# Allegro board 1103400-C000PC024-HI3521DV200-CORE-A01-pcb166.brd (continued)
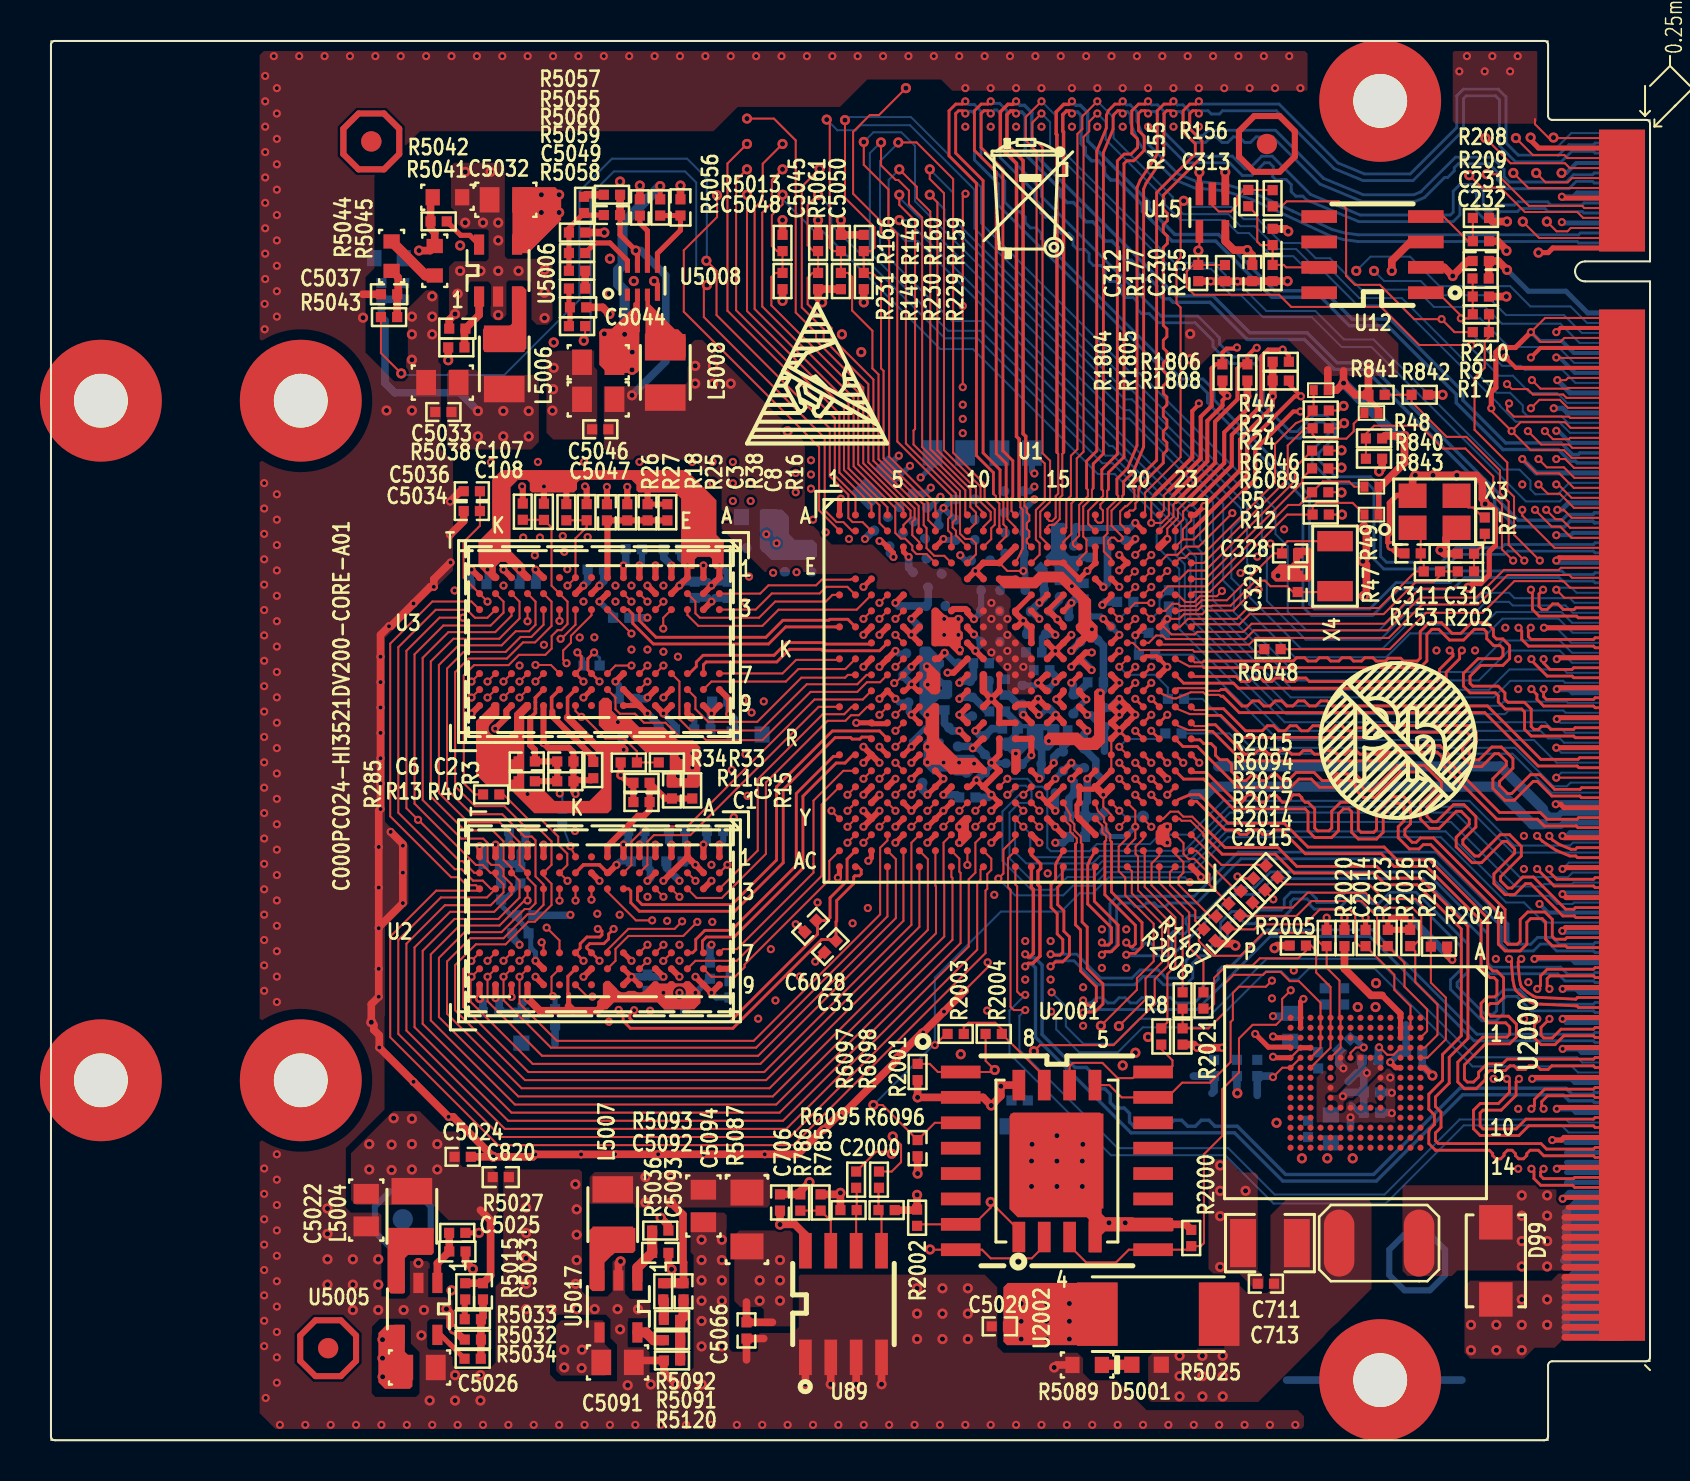
[diagram p0: board, top side]
## Routing (per net, layer and track width the routed paths; a pad name or vN(x,y) marks a point on that pad's centre or on a via; arc(x,y) is an arc through that point) (continued)
  BOTTOM w0.142: v1(56.16,66.38) 56.26,66.48 56.5,66.48 56.64,66.34 56.64,65.47 57.17,64.93 57.76,64.93 58.04,65.21 58.31,65.21 58.58,64.93 58.87,64.93 59.15,65.21 59.44,65.21 59.72,64.93 60.01,64.93 60.29,65.21 61.13,65.21 63.48,62.85 65.58,61.98 68.25,61.98 68.72,62.18 69.72,63.18 69.87,63.18 70.21,63.51 70.21,63.66 70.41,63.86 71.95,63.86 72.36,63.45 72.36,63.08 72.82,62.62 75.94,62.62 76.31,62.98 77.13,62.98 77.21,62.9 U102.11
HDMI_TX0P: length 51.3
  TOP w0.102: U1.D18 53.05,44.09 52.68,44.46 52.68,45.19 52.86,45.37 52.86,46.6 53.39,47.13 53.39,47.25 53.33,47.31 53.33,47.34
  TOP w0.142: 53.33,47.34 53.33,48.09 53.86,48.62 54.33,49.77 54.33,62.66 54.49,63.05 54.88,63.63 55.27,64.21 55.35,64.39 55.35,66.51 55.68,66.85 56.02,66.85 v1(56.16,66.99)
  BOTTOM w0.142: v1(56.16,66.99) 56.34,66.81 56.63,66.81 56.97,66.47 56.97,65.6 57.31,65.26 57.62,65.26 57.9,65.54 61.26,65.54 63.67,63.13 65.65,62.32 68.19,62.32 68.53,62.46 70.27,64.19 72.09,64.19 72.7,63.58 72.7,63.21 72.96,62.95 75.81,62.95 76.17,63.32 77.13,63.32 77.21,63.4 U102.9
HDMI_TX1N: length 53.1
  TOP w0.102: 52.91,47.57 52.84,47.51 52.84,47.16 52.5,46.82 52.5,46.64 52.63,46.52 52.63,45.98 52.55,45.91 52.37,45.91 52.25,46.03 U1.A17
  TOP w0.142: 52.91,47.57 52.91,48.42 53.68,49.2 53.68,63.87 53.83,64.01 54.18,64.01 54.7,64.53 54.7,65.24 54.41,65.53 54.41,66.37 54.55,66.52 54.75,66.52 v1(54.89,66.38)
  BOTTOM w0.142: U102.17 76.68,61.4 76.61,61.47 74.9,61.47 74.74,61.63 73.52,61.63 73.37,61.47 72.51,61.47 72.18,61.14 71.66,61.14 71.32,61.48 71.32,62.35 71.18,62.5 70.63,62.5 70.49,62.35 70.49,61.31 70.15,60.97 65.43,60.97 62.83,62.05 62.63,62.24 62.51,62.24 62.28,62.24 62.05,62.47 62.05,62.59 62.05,62.82 61.79,63.08 61.56,63.08 61.52,63.05 61.29,63.05 61.12,63.22 61.12,63.46 61.15,63.49 61.15,63.72 60.96,63.91 60.72,63.91 60.08,63.28 59.6,63.28 58.97,63.91 56.76,63.91 55.37,65.3 55.37,66.34 55.23,66.48 54.99,66.48 v1(54.89,66.38)
HDMI_TX1P: length 53.2
  TOP w0.102: 52.57,47.57 52.64,47.51 52.64,47.24 51.89,46.5 51.89,45.85 U1.B17
  TOP w0.142: v1(54.89,66.99) 54.75,66.85 54.41,66.85 54.07,66.51 54.07,65.39 54.36,65.1 54.36,64.67 54.04,64.35 53.69,64.35 53.35,64.01 53.35,49.33 52.57,48.56 52.57,47.57
  BOTTOM w0.142: v1(54.89,66.99) 55.07,66.81 55.36,66.81 55.7,66.47 55.7,65.44 56.9,64.25 59.11,64.25 59.74,63.61 59.94,63.61 60.58,64.25 61.1,64.25 63.01,62.33 65.5,61.3 70.01,61.3 70.15,61.44 70.15,62.49 70.49,62.83 71.32,62.83 71.65,62.49 71.65,61.62 71.8,61.48 72.05,61.48 72.37,61.8 73.23,61.8 73.38,61.96 74.88,61.96 75.03,61.8 76.6,61.8 76.7,61.9 U102.15
HDMI_TX2N: length 51.3
  TOP w0.102: U1.D16 51.45,44.09 51.81,44.45 51.81,45.05 51.64,45.22 51.64,46.71 52.08,47.15 52.08,47.56 52.14,47.62 52.14,47.65
  TOP w0.142: 52.14,47.65 52.14,48.85 52.65,49.36 52.65,64.42 53.14,65.59 53.14,66.22 53.18,66.33 53.36,66.52 53.48,66.52 v1(53.62,66.38)
  BOTTOM w0.142: v1(53.62,66.38) 53.72,66.48 53.86,66.48 54,66.34 54,65.94 54.4,64.97 54.59,64.69 56.2,63.08 57.21,62.66 58.66,62.52 58.67,62.52 60.04,62.1 63.97,60.27 64.63,60.08 65.39,59.98 76.35,59.98 76.43,59.9 U102.23
HDMI_TX2P: length 51.3
  TOP w0.102: 51.81,47.65 51.81,47.62 51.88,47.56 51.88,47.23 51.44,46.79 51.44,45.25 51.13,44.94 51.13,44.8 51.23,44.69 U1.C16
  TOP w0.142: 51.81,47.65 51.81,48.99 52.32,49.5 52.32,64.49 52.8,65.66 52.8,66.29 52.9,66.52 53.23,66.85 53.48,66.85 v1(53.62,66.99)
  BOTTOM w0.142: U102.21 76.52,60.4 76.43,60.31 65.41,60.31 64.7,60.41 64.09,60.58 62.13,61.5 62.13,61.5 60.16,62.41 58.72,62.85 58.68,62.85 57.29,62.98 56.39,63.36 54.84,64.9 54.69,65.13 54.33,66 54.33,66.47 53.99,66.81 53.8,66.81 v1(53.62,66.99)
HDMI_TXCN: length 52.1
  TOP w0.102: U1.A19 53.85,46.4 53.97,46.52 54.15,46.52 54.25,46.62 54.25,46.88 54.41,47.03 54.41,47.54 54.47,47.61 54.47,47.63
  TOP w0.142: v1(57.43,66.38) 57.29,66.52 57.12,66.52 56.97,66.38 56.97,65.61 57.58,65 57.58,64.22 55.65,62.29 55.65,61.59 55.85,61.38 55.85,61.02 55.65,60.81 55.65,60.45 55.85,60.25 55.85,59.88 55.65,59.68 55.65,55.78 55.83,55.6 55.83,55.21 55.65,55.03 55.65,54.64 55.83,54.47 55.83,54.08 55.65,53.9 55.65,53.51 55.83,53.33 55.83,52.94 55.65,52.76 55.65,52.37 55.83,52.19 55.83,51.8 55.65,51.62 55.65,51.23 55.83,51.05 55.83,50.66 55.65,50.48 55.65,50.09 55.83,49.91 55.83,49.52 55.65,49.34 55.65,48.9 54.47,47.72 54.47,47.63
  BOTTOM w0.142: U102.5 77.26,64.4 77.17,64.48 76.08,64.48 75.56,63.96 73.27,63.96 72.46,64.77 72.46,67.07 72.27,67.27 70.81,67.27 70.66,67.12 70.66,65.54 68.15,63.02 65.64,63.02 64.2,63.62 61.3,66.52 58.62,66.52 58.46,66.35 58.05,66.35 57.89,66.52 57.57,66.52 v1(57.43,66.38)
HDMI_TXCP: length 52.3
  TOP w0.102: 54.14,47.63 54.14,47.61 54.2,47.54 54.2,47.12 53.82,46.73 53.75,46.73 53.49,46.48 53.49,45.85 U1.B19
  TOP w0.142: v1(57.43,66.99) 57.29,66.85 56.98,66.85 56.64,66.51 56.64,65.48 57.25,64.87 57.25,64.36 55.32,62.43 55.32,49.03 54.14,47.85 54.14,47.63
  BOTTOM w0.142: U102.3 77.26,64.9 77.17,64.82 75.94,64.82 75.42,64.3 73.41,64.3 72.8,64.91 72.8,67.21 72.41,67.6 70.67,67.6 70.33,67.26 70.33,65.68 68.01,63.36 65.71,63.36 64.39,63.9 61.44,66.85 57.57,66.85 v1(57.43,66.99)
I2C0_SCL: length 15.6
  TOP w0.102: v1(74.74,50.49) 75.14,50.08 75.93,50.08 76,50.15 U102.50 ; v2(64.67,51.75) 64.44,51.52 R23.1
  ART03 w0.102: v2(64.67,51.75) 64.77,51.85 68.1,51.85 68.97,50.98 74.2,50.98 74.69,50.49 v1(74.74,50.49)
I2C0_SDA: length 16.1
  TOP w0.102: U102.52 76.11,49.65 75.95,49.82 74.56,49.82 v1(73.89,50.49) ; R24.1 64.44,50.63 v2(64.69,50.89)
  ART03 w0.102: v2(64.69,50.89) 64.71,50.89 65.21,51.39 67.99,51.39 68.8,50.59 72.44,50.59 73,50.02 73.42,50.02 v1(73.89,50.49)
I2C1_SCL: length 21.2
  TOP w0.102: v1(75.31,49.09) 75.76,49.09 76.2,48.65 U102.56 ; R12.1 v2(64.59,46.31)
  ART03 w0.102: v1(75.31,49.09) 74.79,49.62 72.85,49.62 72.28,50.19 68.64,50.19 67.84,50.99 65.61,50.99 65.05,50.43 64.03,50.43 63.58,49.97 63.58,47.2 64.46,46.31 v2(64.59,46.31)
I2C1_SDA: length 19
  TOP w0.102: U102.58 76.22,48.15 75.69,48.68 74.84,48.68 v1(74.42,49.09) ; 63.91,47.43 64.55,47.43 v2(64.57,47.42)
  ART03 w0.102: v2(64.57,47.42) 64.06,47.93 64.06,49.79 64.25,49.98 67.3,49.98 67.51,49.77 72.14,49.77 73.22,48.69 74.02,48.69 v1(74.42,49.09)
I2S0_BCLK: length 9.9
  TOP w0.102: U1.E22 56.47,43.09 56.89,43.51 57.75,43.51 62.23,47.99 62.23,48.65 R6046.1
I2S0_BCLK_R: length 15.7
  TOP w0.102: v1(75.31,47.82) 75.4,47.82 76.07,47.15 U102.62 ; 63.91,49.51 64.55,49.51 v2(64.57,49.53)
  ART03 w0.102: v1(75.31,47.82) 74.89,48.24 73.09,48.24 71.96,49.37 67.27,49.37 67.12,49.53 v2(64.57,49.53)
I2S0_MCLK: length 8.5
  TOP w0.102: R6089.1 62.61,48.14 62.61,47.94 57.77,43.09 U1.E23
I2S0_MCLK_R: length 16.3
  TOP w0.102: v1(74.42,47.82) 74.89,47.35 75.49,47.35 76.19,46.65 U102.64 ; 63.91,48.62 64.53,48.62 v2(64.57,48.66)
  ART03 w0.102: v2(64.57,48.66) 64.96,49.06 71.48,49.06 73.18,47.35 73.95,47.35 v1(74.42,47.82)
I2S0_SD_RX: length 28.1
  TOP w0.102: U102.70 76.07,45.15 75.51,45.71 75.09,45.71 v1(74.24,46.55) ; U1.E21 v1(55.85,43.49)
  ART03 w0.102: v1(55.85,43.49) 57.23,43.49 59.77,46.03 62.41,46.03 62.86,45.58 64.98,45.58 65.53,46.13 66.04,46.13 66.57,45.6 66.57,44.33 66.8,44.1 69.92,44.1 70.2,44.39 70.46,44.39 72.13,46.06 73.93,46.06 74.24,46.37 v1(74.24,46.55)
I2S0_SD_TX: length 27
  TOP w0.102: U102.68 76,45.65 75.57,46.08 75.28,46.08 v1(74.8,46.55) ; U1.F20 v1(55.05,42.69)
  ART03 w0.102: v1(74.8,46.55) 74.8,46.31 74.24,45.75 72.15,45.75 70.56,44.16 70.3,44.16 69.71,43.57 67.69,43.57 65.86,41.74 58.22,41.74 57.26,42.69 v1(55.05,42.69)
I2S0_WS: length 27.5
  TOP w0.102: v1(73.61,46.55) 73.61,46.26 75.22,44.65 U102.72 ; v1(59.11,46.39) 57.43,44.71 56.77,44.71 56.36,44.3 55.85,44.3 U1.D21
  ART03 w0.102: v1(59.11,46.39) 62.71,46.39 63.24,45.86 64.9,45.86 67.77,48.73 71.27,48.73 73.45,46.55 v1(73.61,46.55)
I2S1_BCLK: length 7.1
  TOP w0.102: U1.J19 54.13,39.89 54.49,39.54 57.12,39.54 57.2,39.46 60.58,39.46 R6048.1
I2S1_BCLK_R: length 18.6
  TOP w0.102: R6048.2 66.98,39.58 68.8,41.4 71.63,41.4 73.21,42.99 75.67,42.99 76,42.65 U102.80
I2S1_SD_RX: length 25.7
  TOP w0.102: U1.J20 54.92,39.89 55.29,40.26 55.6,40.26 55.78,40.09 59.75,40.09 60.19,40.52 66.85,40.52 68.49,42.16 71.31,42.16 72.69,43.54 75.44,43.54 75.54,43.65 U102.76
I2S1_WS: length 24.7
  TOP w0.102: U1.J21 55.53,39.81 59.94,39.81 60.27,40.14 66.93,40.14 68.6,41.82 71.4,41.82 72.87,43.29 75.96,43.29 76.1,43.15 U102.78
IR_IN/SPI1_SCK: length 37.1
  TOP w0.102: U1.AA12 48.25,30.15 47.65,29.55 47.65,28.36 v1(47.4,28.1)
  BOTTOM w0.102: v1(47.4,28.1) 48.23,27.26 50.65,27.26 51.13,27.75 52.13,27.75 52.81,28.43 57.14,28.43 58.89,30.17 69.53,30.17 72.8,26.91 73.69,26.91 74.7,25.9 U102.147
JTAG_TCK/SPI1_MOSI: length 38.8
  TOP w0.102: U1.V13 49.05,32.69 v1(48.65,32.29)
  BOTTOM w0.102: v1(48.65,32.29) 48.44,32.29 47.6,31.45 47.6,28.99 49.05,27.54 50.22,27.54 50.85,28.18 52.18,28.18 52.7,28.69 57.03,28.69 58.8,30.46 69.77,30.46 73,27.24 74.95,27.24 75.36,26.83 76.12,26.83 76.19,26.9 U102.143
JTAG_TDI/UART2_RXD: length 33.7
  TOP w0.102: U1.Y12 v1(48.65,30.69)
  BOTTOM w0.102: v1(48.65,30.69) 49,30.35 49,29.33 49.16,29.17 52.04,29.17 52.37,29.49 56.7,29.49 58.9,31.7 70.83,31.7 73.12,29.4 U102.133
JTAG_TDO_R/UART2_TXD: length 36.5
  TOP w0.102: U1.V11 v1(47.85,33.09)
  BOTTOM w0.102: v1(47.85,33.09) 48.85,33.09 49.25,32.7 49.61,32.7 49.85,32.46 49.85,29.65 50.02,29.47 51.97,29.47 52.32,29.83 54.99,29.83 55.46,30.3 56.96,30.3 58.65,31.99 70.97,31.99 73.2,29.75 76,29.75 76.14,29.9 U102.131
JTAG_TMS/SPI1_MISO: length 35.9
  TOP w0.102: U1.W12 v1(48.65,31.49)
  BOTTOM w0.102: U102.137 76.12,28.4 75.89,28.18 73.48,28.18 70.26,31.4 58.99,31.4 56.81,29.23 52.48,29.23 52.11,28.86 48.79,28.86 48.23,29.42 48.23,31.05 48.65,31.46 v1(48.65,31.49)
JTAG_TRSTN/SPI1_CSN: length 39.9
  TOP w0.102: U1.V12 48.25,32.69 v1(47.85,32.29)
  BOTTOM w0.102: U102.139 76.18,27.9 76.1,27.82 74.7,27.82 74.59,27.71 73.27,27.71 70.04,30.93 58.9,30.93 56.92,28.96 52.59,28.96 52.19,28.56 50.75,28.56 50.11,27.92 49.15,27.92 47.95,29.12 47.95,31.4 48.44,31.89 48.86,31.89 49.06,32.09 49.06,32.46 48.77,32.75 48.41,32.75 47.96,32.29 v1(47.85,32.29)
LAN_LED_ACT: length 68.4
  TOP w0.102: U1.B10 46.65,45.69 47.01,46.06 47.01,46.44 46.51,46.95 46.51,47.71 44.68,49.54 44.68,62.39 43.97,63.1 v2(43.97,63.59)
  BOTTOM w0.102: v2(43.97,63.59) 45.14,62.42 45.14,61.1 53.69,52.55 54.06,52.55 59.84,46.77 59.84,43.87 59.99,43.72 59.99,42.15 62.53,39.61 66.62,39.61 67.82,40.8 71.68,40.8 72.31,41.44 75.56,41.44 76.1,40.9 U102.87
LAN_LED_LINK: length 65.9
  TOP w0.102: v2(43.97,62.32) 44.35,61.93 44.35,49.54 46.28,47.61 46.28,46.77 46.65,46.4 U1.A10
  BOTTOM w0.102: v2(43.97,62.32) 44.7,61.58 44.7,61.1 53.72,52.08 54.08,52.08 59.54,46.62 59.54,46.08 59.05,45.6 59.05,43.14 59.51,42.68 59.51,41.89 62.23,39.18 66.8,39.18 68,40.37 71.88,40.37 72.62,41.11 75.42,41.11 76.13,40.4 U102.89
MDI_AN: length 73.2
  TOP w0.102: 47.48,47.34 47.48,47.12 47.65,46.95 47.65,45.83 47.8,45.68 47.8,45.25 47.45,44.89 U1.C11
  TOP w0.142: 47.48,47.34 47.48,48.55 46.63,49.4 46.63,63.03 45.26,64.4 45.26,66.37 45.41,66.52 45.61,66.52 v1(45.74,66.38)
  BOTTOM w0.142: U102.79 77.26,42.9 77.17,42.98 75.63,42.98 75.45,43.16 70.72,43.16 70.14,42.58 67.43,42.58 66.11,41.26 63.07,41.26 62.63,41.69 62.63,47.14 57.86,51.92 57.86,52.4 57.49,52.76 56.43,52.76 47.39,61.8 47.39,62.87 46.2,64.05 46.2,66.35 46.06,66.49 45.86,66.49 v1(45.74,66.38)
MDI_AP: length 73.1
  TOP w0.102: 47.15,47.35 47.28,47.22 47.28,47.03 47.45,46.86 47.45,45.75 47.45,45.74 U1.B11
  TOP w0.142: 47.15,47.35 47.15,48.41 46.3,49.26 46.3,62.89 44.93,64.26 44.93,66.51 45.27,66.85 45.61,66.85 v1(45.74,66.99)
  BOTTOM w0.142: v1(45.74,66.99) 45.91,66.83 46.2,66.83 46.53,66.49 46.53,64.19 47.13,63.6 47.72,63 47.72,61.94 48.2,61.46 48.48,61.46 48.74,61.2 48.74,60.92 49,60.66 49.28,60.66 49.54,60.39 49.54,60.12 56.57,53.09 57.63,53.09 58.19,52.54 58.19,52.05 62.97,47.28 62.97,41.83 63.21,41.59 65.98,41.59 67.3,42.91 70,42.91 70.59,43.49 75.59,43.49 75.77,43.32 77.17,43.32 77.26,43.4 U102.77
MDI_BN: length 72.4
  TOP w0.102: 48.12,47.23 48.12,47.2 48.06,47.14 48.06,46.49 U1.A12
  TOP w0.142: 48.12,47.23 48.12,49 47.62,49.5 47.62,63.59 46.53,64.68 46.53,66.37 46.68,66.52 46.88,66.52 v1(47.01,66.38)
  BOTTOM w0.142: v1(47.01,66.38) 47.19,66.55 47.32,66.55 47.49,66.38 47.49,64.17 49.22,62.44 49.22,62.09 49.53,61.79 49.53,61.4 49.74,61.19 50.12,61.19 50.33,60.98 50.33,60.6 50.54,60.39 50.92,60.39 51.14,60.18 51.14,59.8 51.35,59.58 51.73,59.58 51.94,59.37 51.94,58.99 52.15,58.78 52.53,58.78 52.74,58.57 52.74,58.19 52.96,57.97 53.34,57.97 53.55,57.76 53.55,57.38 53.76,57.17 54.14,57.17 54.35,56.96 54.35,56.58 54.57,56.36 54.95,56.36 55.4,55.91 57.24,55.91 58.14,55.01 58.14,54.71 58.98,53.87 60.18,53.87 60.32,53.72 60.32,51.67 61.86,50.13 62.49,50.13 63.3,50.94 63.66,50.94 63.91,50.69 63.91,50.34 63.1,49.53 63.1,48.9 64.12,47.87 65.88,47.87 66.19,47.56 66.19,44.08 66.68,43.59 69.69,43.59 70.43,44.32 72.71,44.32 72.87,44.48 77.17,44.48 77.26,44.4 U102.73
MDI_BP: length 72.2
  TOP w0.102: 47.79,47.23 47.79,47.2 47.85,47.14 47.85,46.09 48.25,45.69 U1.B12
  TOP w0.142: 47.79,47.23 47.79,48.87 47.29,49.36 47.29,63.45 46.2,64.54 46.2,66.51 46.54,66.85 46.88,66.85 v1(47.01,66.99)
  BOTTOM w0.142: U102.71 77.26,44.9 77.17,44.82 72.73,44.82 72.57,44.66 70.29,44.66 69.56,43.93 66.82,43.93 66.52,44.22 66.52,47.7 66.01,48.21 64.26,48.21 63.43,49.04 63.43,49.39 64.24,50.2 64.24,50.83 63.79,51.28 63.16,51.28 62.35,50.47 62,50.47 60.65,51.81 60.65,53.86 60.32,54.2 59.12,54.2 58.47,54.85 58.47,55.15 57.38,56.24 55.54,56.24 49.55,62.23 49.55,62.58 47.83,64.31 47.83,66.52 47.46,66.89 47.17,66.89 47.07,66.99 v1(47.01,66.99)
MIPI_RX0_CKN/VI0_DATA5: length 32.3
  TOP w0.142: v1(69.98,39.51) 70.14,39.35 70.14,39.24 69.47,38.57 69.47,38.1 69.33,37.96 62.96,37.96 62.78,38.13 62.39,38.13 62.21,37.96 61.82,37.96 61.65,38.13 61.25,38.13 61.08,37.96 60.68,37.96 60.51,38.13 60.11,38.13 59.94,37.96 59.55,37.96 59.3,38.21 57.13,38.21 U1.L23 ; v1(74.65,42.55) 74.45,42.35 74.45,41.71 74.59,41.57 74.85,41.57 75.13,41.84 75.39,41.84 75.66,41.57 76.2,41.57 76.29,41.65 U102.84
  ART03 w0.114: v1(74.65,42.55) 74.52,42.68 74.52,42.99 74.02,43.49 72.03,43.49 71.68,43.15 71.68,42.66 71.94,42.4 71.94,42.23 71.35,41.64 71.19,41.64 70.96,41.87 69.08,41.87 68.43,41.21 68.43,40.6 68.93,40.1 70.09,40.1 70.21,39.99 70.21,39.74 v1(69.98,39.51)
MIPI_RX0_CKP/VI0_DATA6: length 32.3
  TOP w0.142: v1(70.59,39.51) 70.47,39.4 70.47,39.1 69.8,38.43 69.8,37.96 69.46,37.63 59.41,37.63 59.16,37.88 56.67,37.88 U1.L22 ; v1(74.04,42.55) 74.11,42.48 74.11,41.57 74.45,41.23 76.33,41.23 76.41,41.15 U102.86
  ART03 w0.114: v1(70.59,39.51) 70.56,39.54 70.56,40.14 70.24,40.46 69.07,40.46 68.78,40.75 68.78,41.07 69.23,41.51 70.81,41.51 71.04,41.29 71.5,41.29 72.3,42.09 72.3,42.54 72.03,42.81 72.03,43 72.17,43.14 73.87,43.14 74.17,42.84 74.17,42.68 v1(74.04,42.55)
MIPI_RX0_D0N/VI0_DATA1: length 30.8
  TOP w0.142: U1.M19 v1(54.25,37.89) ; U102.90 77.26,40.15 77.17,40.07 74.06,40.07 73.91,40.21 73.91,40.54 74.02,40.65 v1(74.03,40.65)
  ART03 w0.114: v1(54.25,37.89) 54.67,37.47 55.17,37.47 55.6,37.91 56.2,37.91 56.61,38.31 68.1,38.31 68.58,37.83 71.13,37.83 71.25,37.72 71.25,36.82 71.58,36.48 72.63,36.48 72.95,36.81 72.95,39.23 73.9,40.19 73.9,40.52 v1(74.03,40.65)
MIPI_RX0_D0P/VI0_DATA2: length 30.6
  TOP w0.142: U1.M20 v1(55.05,37.89) ; v1(73.42,40.65) 73.58,40.49 73.58,40.07 73.92,39.73 77.17,39.73 77.26,39.65 U102.92
  ART03 w0.114: v1(55.05,37.89) 55.42,38.26 56.06,38.26 56.46,38.67 56.86,38.67 57.02,38.82 57.32,38.82 57.47,38.67 57.78,38.67 57.93,38.82 58.24,38.82 58.39,38.67 58.69,38.67 58.85,38.82 59.15,38.82 59.3,38.67 68.25,38.67 68.73,38.19 71.28,38.19 71.6,37.86 71.6,36.97 71.73,36.84 72.48,36.84 72.59,36.95 72.59,39.38 72.89,39.68 72.89,39.87 72.79,39.97 72.79,40.16 72.92,40.29 73.11,40.29 73.21,40.19 73.4,40.19 73.55,40.33 73.55,40.52 v1(73.42,40.65)
MIPI_RX0_D1N/VI0_CLK: length 30.8
  TOP w0.142: v1(74.68,39.08) 74.68,38.88 74.99,38.57 76.1,38.57 76.18,38.65 U102.96 ; U1.L19 v1(54.25,38.69)
  ART03 w0.114: v1(54.25,38.69) 54.46,38.9 54.46,39.23 54.78,39.56 68.36,39.56 68.61,39.45 68.86,39.35 69.03,39.18 69.37,39.04 71.31,39.04 71.33,39.04 71.69,39.41 72,40.95 72.45,41.4 75.02,41.4 75.42,40.99 75.42,40.18 74.57,39.33 74.57,39.18 v1(74.68,39.08)
MIPI_RX0_D1P/VI0_DATA0: length 30.7
  TOP w0.142: v1(74.07,39.08) 74.07,39.02 74.51,38.58 74.86,38.23 76.1,38.23 76.18,38.15 U102.98 ; U1.L20 v1(55.05,38.69)
  ART03 w0.114: v1(55.05,38.69) 54.81,38.93 54.81,39.09 54.93,39.2 68.29,39.2 68.47,39.13 68.65,39.05 68.83,38.88 69.3,38.68 71.38,38.68 71.53,38.74 72.02,39.23 72.33,40.78 72.59,41.04 74.87,41.04 75.07,40.84 75.07,40.33 74.9,40.17 74.72,40.17 74.65,40.23 74.46,40.23 74.33,40.1 74.33,39.91 74.39,39.84 74.39,39.65 74.22,39.48 74.22,39.23 v1(74.07,39.08)
MIPI_RX0_D2N/VI0_DATA7: length 34.2
  TOP w0.142: v1(74.68,37.58) 74.68,37.21 74.82,37.07 77.17,37.07 77.26,37.15 U102.102 ; U1.N20 v1(54.25,37.09)
  ART03 w0.114: v1(74.68,37.58) 74.68,37.07 74.93,36.81 74.93,34.24 74.61,33.92 73.69,33.92 73.37,34.24 73.37,35.37 73.17,35.57 72.88,35.57 72.68,35.37 72.68,34.65 72.36,34.32 71.78,34.32 70.38,35.73 70.38,36.85 70.27,36.97 69.69,36.97 69.26,36.53 68.61,36.53 67.75,37.4 58.92,37.4 58.64,37.11 55.67,37.11 55.27,36.71 54.63,36.71 v1(54.25,37.09)
MIPI_RX0_D2P/VI0_CLK: length 34.2
  TOP w0.142: U102.104 77.26,36.65 77.17,36.73 74.68,36.73 74.34,37.07 74.34,37.3 v1(74.07,37.58) ; U1.N21 v1(55.05,37.09)
  ART03 w0.114: v1(74.07,37.58) 74.32,37.33 74.32,36.92 74.57,36.67 74.57,34.39 74.46,34.27 73.84,34.27 73.72,34.39 73.72,35.52 73.31,35.92 72.73,35.92 72.32,35.52 72.32,34.79 72.21,34.68 71.93,34.68 70.74,35.87 70.74,37 70.42,37.32 69.54,37.32 69.11,36.89 68.76,36.89 67.89,37.75 58.78,37.75 58.49,37.47 58.22,37.47 58.09,37.6 58.09,37.67 57.95,37.8 57.76,37.8 57.63,37.67 57.63,37.6 57.49,37.47 57.3,37.47 57.17,37.6 57.17,37.67 57.04,37.8 56.85,37.8 56.71,37.67 56.71,37.6 56.58,37.47 55.52,37.47 55.15,37.09 v1(55.05,37.09)
MIPI_RX0_D3N/VI0_DATA3: length 32.1
  TOP w0.102: 57.68,38.99 57.62,38.92 57.22,38.92 U1.K23
  TOP w0.142: 57.68,38.99 62.15,38.99 62.32,39.15 62.72,39.15 62.89,38.99 63.29,38.99 63.46,39.15 63.86,39.15 64.02,38.99 64.43,38.99 64.59,39.15 65,39.15 65.16,38.99 65.57,38.99 65.73,39.15 66.14,39.15 66.3,38.99 66.76,38.99 66.9,39.12 67.53,39.12 67.67,38.99 68.36,38.99 68.5,39.13 68.5,40.46 68.95,40.91 69.57,40.91 70.1,40.37 70.54,40.37 71.07,40.91 71.83,40.91 72.16,40.57 72.16,40.24 72.32,40.09 72.64,40.09 72.98,39.75 72.98,39.11 72.64,38.77 71.54,38.77 71,38.23 71,37.87 71.14,37.73 72.4,37.73 72.74,37.39 72.74,37.07 72.89,36.92 73.72,36.92 74.06,36.58 74.06,35.71 74.2,35.57 74.42,35.57 74.57,35.72 74.88,35.72 75.03,35.57 76.17,35.57 76.26,35.65 U102.108
MIPI_RX0_D3P/VI0_DATA4: length 32.2
  TOP w0.102: U1.K22 56.93,38.73 56.96,38.72 57.61,38.72 57.67,38.65 57.68,38.65
  TOP w0.142: 57.68,38.65 68.5,38.65 68.84,38.99 68.84,40.32 69.09,40.57 69.43,40.57 69.97,40.04 70.67,40.04 71.21,40.57 71.69,40.57 71.83,40.43 71.83,40.1 72.18,39.76 72.5,39.76 72.64,39.62 72.64,39.24 72.5,39.1 71.4,39.1 70.66,38.36 70.66,37.73 71,37.4 72.27,37.4 72.41,37.25 72.41,36.93 72.76,36.58 73.58,36.58 73.72,36.44 73.72,35.57 74.06,35.23 76.18,35.23 76.26,35.15 U102.110
MIPI_RX1_CKN/VI1_DATA6: length 28.7
  TOP w0.102: 57.89,36.6 57.86,36.6 57.8,36.53 57.21,36.53 U1.N23
  TOP w0.142: U102.120 76.58,32.65 76.5,32.57 75.23,32.57 74.5,33.3 74.02,33.3 73.08,32.35 72.87,32.35 72.47,32.76 72.47,32.96 73.14,33.63 73.14,34.11 72.56,34.68 72.09,34.68 71.44,34.04 71.24,34.04 70.95,34.33 70.95,34.55 71.3,34.91 71.3,35.42 70.97,35.75 66.34,35.75 66.08,35.5 65.84,35.5 65.69,35.65 65.28,35.65 65.13,35.5 64.84,35.5 64.59,35.75 64.27,35.75 64.02,35.5 63.7,35.5 63.45,35.75 63.13,35.75 62.88,35.5 62.56,35.5 62.31,35.75 61.99,35.75 61.74,35.5 61.42,35.5 61.17,35.75 60.86,35.75 60.6,35.5 59.76,35.5 58.66,36.6 57.89,36.6
MIPI_RX1_CKP/VI1_DATA5: length 28.6
  TOP w0.102: U1.N22 56.36,36.59 56.97,36.33 57.8,36.33 57.86,36.27 57.89,36.27
  TOP w0.142: 57.89,36.27 58.52,36.27 59.63,35.16 66.22,35.16 66.48,35.42 70.83,35.42 70.97,35.28 70.97,35.05 70.62,34.69 70.62,34.19 71.1,33.71 71.58,33.71 72.23,34.35 72.43,34.35 72.81,33.97 72.81,33.77 72.14,33.1 72.14,32.62 72.74,32.02 73.21,32.02 74.16,32.97 74.36,32.97 75.09,32.23 76.49,32.23 76.57,32.15 U102.122
MIPI_RX1_D0N/VI1_DATA2: length 25
  TOP w0.102: U1.P23 57.21,35.73 57.8,35.73 57.86,35.8 57.89,35.8
  TOP w0.142: U102.126 76.43,31.15 76.35,31.07 74.85,31.07 74.51,31.41 72.48,31.41 69.93,33.96 69.93,34.32 69.49,34.76 66.77,34.76 66.33,34.32 65.49,34.32 65.31,34.5 64.92,34.5 64.74,34.32 64.35,34.32 64.17,34.5 63.78,34.5 63.6,34.32 63.21,34.32 63.03,34.5 62.64,34.5 62.46,34.32 62.07,34.32 61.9,34.5 61.5,34.5 61.33,34.32 60.94,34.32 60.76,34.5 60.37,34.5 60.19,34.32 59.73,34.32 58.25,35.8 57.89,35.8
MIPI_RX1_D0P/VI1_DATA1: length 25.1
  TOP w0.102: 57.89,35.47 57.86,35.47 57.8,35.53 56.91,35.53 56.4,35.74 U1.P22
  TOP w0.142: U102.128 76.39,30.65 76.31,30.73 74.71,30.73 74.37,31.07 72.34,31.07 69.59,33.82 69.59,34.19 69.35,34.43 66.9,34.43 66.47,33.99 59.59,33.99 58.12,35.47 57.89,35.47
MIPI_RX1_D1N/VI1_DATA0: length 27.3
  TOP w0.142: v1(74.96,30.24) 74.96,30.2 75.13,30.03 75.45,29.82 76.05,29.57 76.27,29.57 76.35,29.65 U102.132 ; U1.P20 v1(55.05,36.29)
  ART03 w0.114: v1(55.05,36.29) 55.26,36.29 55.75,36.79 67.63,36.79 69.29,35.14 70.06,35.14 v1(74.96,30.24)
MIPI_RX1_D1P/VI1_CLK: length 27.4
  TOP w0.142: v1(74.35,30.24) 74.63,29.96 74.63,29.96 75.29,29.52 75.98,29.23 76.29,29.23 76.37,29.15 U102.134 ; U1.P21 v1(55.85,36.29)
  ART03 w0.114: v1(55.85,36.29) 55.99,36.43 56.29,36.43 56.44,36.28 56.75,36.28 56.9,36.43 57.2,36.43 57.36,36.28 57.66,36.28 57.81,36.43 58.12,36.43 58.27,36.28 58.58,36.28 58.73,36.43 59.03,36.43 59.19,36.28 59.49,36.28 59.64,36.43 59.95,36.43 60.1,36.28 60.4,36.28 60.56,36.43 60.86,36.43 61.01,36.28 61.32,36.28 61.47,36.43 61.78,36.43 61.93,36.28 62.23,36.28 62.39,36.43 62.69,36.43 62.84,36.28 63.15,36.28 63.3,36.43 67.49,36.43 69.14,34.78 69.91,34.78 74.35,30.34 v1(74.35,30.24)
MIPI_RX1_D2N/VI1_CLK: length 28.9
  TOP w0.142: U102.138 77.26,28.15 77.17,28.07 75.34,28.07 74.96,28.44 v1(74.96,28.58) ; U1.R21 v1(55.05,35.49)
  ART03 w0.114: v1(74.96,28.58) 74.83,28.71 74.83,29.09 74.22,29.7 73.69,29.7 72.98,30.41 72.98,30.74 72.82,30.9 72.63,30.9 72.49,30.9 72.33,31.06 72.33,31.39 72.17,31.54 71.98,31.54 71.84,31.54 71.68,31.7 71.68,32.03 71.53,32.19 71.34,32.19 71.2,32.19 71.04,32.35 71.04,32.68 70.88,32.84 70.69,32.84 70.55,32.84 70.39,33 70.39,33.33 70.23,33.48 70.04,33.48 69.9,33.48 69.44,33.94 68.76,33.94 66.78,35.92 56.21,35.92 55.7,35.42 55.13,35.42 v1(55.05,35.49)
MIPI_RX1_D2P/VI1_DATA7: length 28.9
  TOP w0.142: v1(74.35,28.58) 75.2,27.73 77.17,27.73 77.26,27.65 U102.140 ; U1.R20 v1(54.25,35.49)
  ART03 w0.114: v1(74.35,28.58) 74.48,28.71 74.48,28.94 74.07,29.34 73.54,29.34 69.3,33.59 68.61,33.59 66.63,35.57 56.36,35.57 55.85,35.06 54.98,35.06 54.47,35.27 v1(54.25,35.49)
MIPI_RX1_D3N/VI1_DATA4: length 24.9
  TOP w0.102: U1.M21 55.61,37.33 56.12,37.12 56.29,37.12 57.02,37.42 57.65,37.42 57.78,37.29 58.46,37.29 58.52,37.23 58.55,37.23
  TOP w0.142: U102.116 76.44,33.65 76.36,33.73 74.4,33.73 71.73,36.4 59.45,36.4 58.63,37.23 58.55,37.23
MIPI_RX1_D3P/VI1_DATA3: length 24.8
  TOP w0.102: 58.55,37.56 58.52,37.56 58.46,37.49 57.87,37.49 57.73,37.63 56.38,37.63 U1.M22
  TOP w0.142: U102.114 76.48,34.15 76.4,34.07 74.54,34.07 71.87,36.74 64.1,36.74 63.84,36.99 63.53,36.99 63.27,36.74 62.96,36.74 62.7,36.99 62.39,36.99 62.14,36.74 61.82,36.74 61.57,36.99 61.25,36.99 61,36.74 60.68,36.74 60.43,36.99 60.11,36.99 59.86,36.74 59.59,36.74 58.77,37.56 58.55,37.56
MIPI_RX2_CKN/VI2_DATA5: length 35.5
  TOP w0.142: U1.T23 v1(57.45,33.89) ; v1(74.36,22.58) 74.52,22.74 74.52,23.23 74.86,23.57 77.17,23.57 77.26,23.65 U102.156
  ART03 w0.114: v1(74.36,22.58) 74.49,22.71 74.49,22.91 74.64,23.06 74.64,23.22 74.53,23.34 73.72,23.34 73.27,22.89 72.81,22.89 72.36,23.34 71.72,23.34 71.4,23.66 71.4,24.71 71.8,25.1 72.14,25.1 72.26,25.22 72.26,27.29 71.96,27.59 71.73,27.59 71.52,27.8 71.52,28.03 71.31,28.24 71.09,28.24 70.88,28.45 70.88,28.67 70.67,28.88 70.44,28.88 70.23,29.09 70.23,29.32 70.02,29.53 69.79,29.53 69.58,29.74 69.58,29.97 69.39,30.16 69.11,30.16 68.93,30.35 68.93,30.63 68.74,30.81 68.46,30.81 68.28,30.99 68.28,31.27 68.1,31.46 67.82,31.46 67.63,31.64 67.63,31.92 67.15,32.4 66.98,32.4 66.24,31.66 65.59,31.66 65.15,32.09 65.15,33.37 65.04,33.49 63.54,33.49 63.34,33.29 63.34,32.82 63.01,32.5 62.38,32.5 61.94,32.93 61.94,33.29 61.74,33.49 60.51,33.49 60.08,33.91 57.74,33.91 57.72,33.89 v1(57.45,33.89)
MIPI_RX2_CKP/VI2_DATA6: length 35.4
  TOP w0.142: U1.T22 v1(56.65,33.89) ; v1(74.97,22.58) 74.85,22.7 74.85,23.09 75,23.23 77.17,23.23 77.26,23.15 U102.158
  ART03 w0.114: v1(56.65,33.89) 56.98,34.12 57.23,34.23 57.35,34.27 60.23,34.27 60.65,33.84 61.89,33.84 62.3,33.43 62.3,33.08 62.53,32.85 62.87,32.85 62.98,32.97 62.98,33.43 63.39,33.84 65.18,33.84 65.51,33.52 65.51,32.24 65.73,32.01 66.09,32.01 66.84,32.76 67.29,32.76 72.62,27.44 72.62,25.08 72.29,24.75 71.94,24.75 71.75,24.56 71.75,23.81 71.87,23.69 72.5,23.69 72.96,23.24 73.12,23.24 73.57,23.69 74.67,23.69 75,23.37 75,22.92 74.84,22.76 74.84,22.71 74.84,22.71 v1(74.97,22.58)
